# Altium PCB STM32F767IGT6.PcbDoc (part 2 of 2)
Units mil, origin at the board's own origin, x right, y up, seen from the top; angles counter-clockwise.
Board outline 3765 x 2155 mil, 2 copper layers (Top Layer, Bottom Layer); 135 components, 194 nets, 728 pads, 342 vias.
Unrouted connection lines stored in the file: 9.
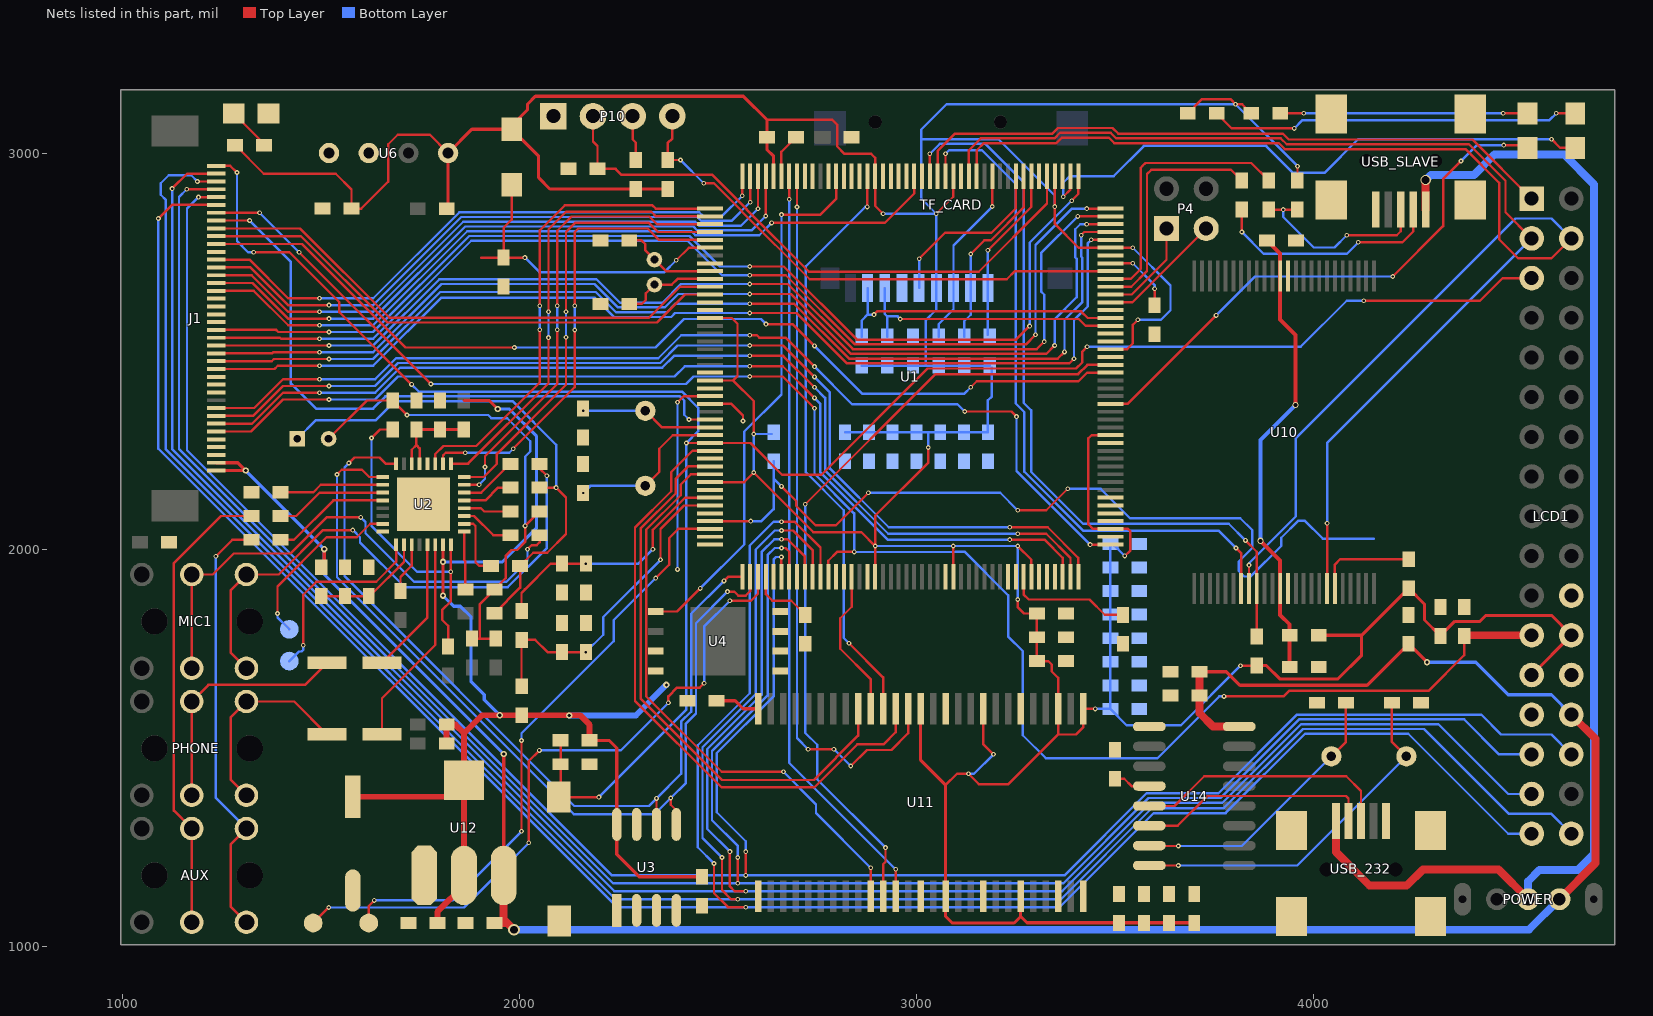
[diagram p2: the nets of this part, all layers, seen from the top]

## Via types
v1: diameter 12, hole 6, Top Layer to Bottom Layer, 318 vias
v2: diameter 16, hole 8, Top Layer to Bottom Layer, 10 vias
v3: diameter 27.56, hole 15.75, Top Layer to Bottom Layer, 9 vias
v4: diameter 16, hole 10, Top Layer to Bottom Layer, 2 vias
v5: diameter 26, hole 20, Top Layer to Bottom Layer, 1 vias
v6: diameter 30, hole 20, Top Layer to Bottom Layer, 1 vias
v7: diameter 14, hole 8, Top Layer to Bottom Layer, 1 vias

## Nets (pads, with @x,y where several pads share a name; then routed paths per layer and width w, separated by ;. In a path a pad name is that pad's centre, name@x,y a point inside that pad or via, vN(x,y) a via of type N, cw(c..) or ccw(c..) an arc to the next point about the centre after c; other vN are vias at no path point) (continued)
FMC_INT3: J1.30 U1.111 | length 2490.6
  Top Layer w6: J1.30@1236,2770.87 1452.19,2770.87 1713.06,2510 v1(1987,2510) ; v1(2621,2569) 2688,2569 v1(2743,2514) ; v1(3137,2410) 3152,2425 3408,2425 3429.61,2446.61 U1.111@3489.09,2446.61
  Bottom Layer w6: v1(1987,2510) 2342.41,2510 2414.41,2582 2608,2582 v1(2621,2569) ; v1(2743,2514) 2863,2394 3121,2394 v1(3137,2410)
FMC_INTR: J1.33 U1.28 | length 1678
  Top Layer w6: J1.33@1236,2829.92 v1(1319.92,2829.92) ; v1(2427,2328.5) U1.28@2480,2328.5
  Bottom Layer w6: v1(1319.92,2829.92) 1424,2725.84 1424,2419 1487,2356 1631,2356 1662,2387 2404.21,2387 2415,2376.21 2415,2340.5 v1(2427,2328.5)
FMC_NBL0: U1.169 U11.15 | length 1820.7
  Top Layer w6: v1(2699.11,2864.11) U1.169@2699.11,2941.32 ; v1(2727,1498) v1(2792,1498) ; v1(2834.5,1455.5) 2875,1496 2937,1496 2979.05,1538.05 U11.15@2979.05,1600
  Bottom Layer w6: v1(2699.11,2864.11) 2699.11,1525.89 v1(2727,1498) ; v1(2792,1498) v1(2834.5,1455.5)
FMC_NBL1: U1.170 U11.39 | length 1924.8
  Top Layer w6: v1(2679.43,2883.43) U1.170@2679.43,2941.32 ; U11.39@2947.56,1127.56 v1(2947.56,1195.44)
  Bottom Layer w6: v1(2679.43,2883.43) 2679.43,1463.57 v1(2947.56,1195.44)
FMC_NCE2: LCD1.1 U1.151 | length 1658.3
  Top Layer w6: U1.151@3053.44,2941.32 3053.44,3005.44 3097,3049 3342.73,3049 3356.73,3063 3494.27,3063 3508.27,3049 3922.91,3049 3937.91,3034 4401,3034 LCD1.1@4550,2885
FMC_NCE3: R22.2 U1.152 U10.9 | length 1946.5
  Top Layer w6: U1.152@3033.76,2941.32 v1(3033.76,2998.24) ; v1(3829,2024) 3857.48,1995.52 U10.9@3857.48,1903.07 R22.2@3857.48,1781.98
  Bottom Layer w6: v1(3033.76,2998.24) 3058.52,3023 3174,3023 3270,2927 3270,2371 3289,2352 3289,2197 3420,2066 3787,2066 v1(3829,2024)
FMC_NCE4_1: U1.153
FMC_NCE4_2: J1.24 U1.154 | length 1983.3
  Top Layer w6: J1.24@1236,2652.76 1330.24,2652.76 1417.04,2565.96 v1(1496,2565.96) ; v1(2635,2824) 2920,2824 2994.39,2898.39 U1.154@2994.39,2941.32
  Bottom Layer w6: v1(1496,2565.96) 1631.14,2565.96 1868.18,2803 2432.94,2803 2442.94,2793 2604,2793 v1(2635,2824)
FMC_NE4: U1.155
FMC_NIORD: U1.24 U4.3
FMC_NIOWR: U1.26 U4.5 | length 109
  Top Layer w6: U1.26@2480,2367.87 2534.13,2367.87 2563,2339 v1(2563,2325)
FMC_NOE: LCD1.4 U1.146 U10.8 | length 3178.5
  Top Layer w6: U1.146@3151.87,2941.32 3151.87,3006.87 3170,3025 3352.67,3025 3366.67,3039 3484.33,3039 3498.33,3025 3912.97,3025 3927.97,3010 4383,3010 4468,2925 4468,2783 4516,2735 4600,2735 LCD1.4@4650,2785 ; U10.8@3837.79,1903.07 v1(3837.79,1961.79)
  Bottom Layer w6: v1(3837.79,1961.79) 3837.79,1966.58 3956,2084.79 3956,2282 4509,2835 4600,2835 LCD1.4@4650,2785
FMC_NREG: U1.25 U4.7 | length 504.4
  Top Layer w6: v1(2398,2372) 2413.56,2387.56 U1.25@2480,2387.56
  Bottom Layer w6: v1(2398,1951) v1@2398,2367
FMC_NWAIT: U1.150 U10.7 | length 1726.5
  Top Layer w6: U1.150@3073.13,2941.32 v1(3073.13,2998.13) ; v1(3805,2005) 3818.11,1991.89 U10.7@3818.11,1903.07
  Bottom Layer w6: v1(3073.13,2998.13) 3081.98,3006.98 3164.94,3006.98 3250,2921.93 3250,2369 3272,2347 3272,2197.03 3421.03,2048 3762,2048 v1(3805,2005)
FMC_NWE: LCD1.3 U1.147 U10.18 | length 2753.6
  Top Layer w6: U1.147@3132.19,2941.32 3132.19,3006.98 3162.2,3037 3347.7,3037 3361.7,3051 3489.3,3051 3503.3,3037 3917.94,3037 3932.94,3022 4392,3022 4484,2930 4484,2851 LCD1.3@4550,2785 ; U10.18@4034.64,1903.07 v1(4034.64,2067.36)
  Bottom Layer w6: v1(4034.64,2067.36) 4034.64,2269.64 LCD1.3@4550,2785
FMC_SDCKE0: U1.35 U11.37 | length 1483.5
  Top Layer w6: U1.35@2480,2190.71 2431.71,2190.71 2406,2165 2406,2137.73 2319,2050.73 2319,1631.39 2509.39,1441 v1(2665,1441) ; U11.37@2884.57,1127.56 v1(2884.57,1199.43)
  Bottom Layer w6: v1(2665,1441) 2747,1359 2747,1337 v1(2884.57,1199.43)
FMC_SDCKE1: U1.163
FMC_SDCLK: U1.112 U11.38 | length 1988.2
  Top Layer w6: v1(2720,2115) 3048,2443 3407.44,2443 3430.74,2466.3 U1.112@3489.09,2466.3 ; U11.38@2916.06,1127.56 2916.06,1208.06 2922,1214 v1(2922,1250)
  Bottom Layer w6: v1(2720,2115) 2720,1539 2750,1509 2750,1422 v1(2922,1250)
FMC_SDNCAS: U1.160 U11.17 | length 1489.6
  Top Layer w6: v1(2830,1765) 2916.06,1678.94 U11.17@2916.06,1600 ; v1(2876.28,2864.28) U1.160@2876.28,2941.32
  Bottom Layer w6: v1(2830,1765) 2817,1778 2817,2100 2721,2196 2721,2714.38 2870.9,2864.28 v1(2876.28,2864.28)
FMC_SDNE0: U1.34 U11.19 | length 1437
  Top Layer w6: U1.34@2480,2210.39 2424.39,2210.39 2394,2180 2394,2142.7 2305,2053.7 2305,1625.59 2510.09,1420.5 2741.5,1420.5 2853.07,1532.07 U11.19@2853.07,1600
FMC_SDNRAS: U1.59 U11.18 | length 375.9
  Top Layer w6: U1.59@2836.91,1932.22 2836.91,1856.91 2808,1828 2808,1751 2884.57,1674.43 U11.18@2884.57,1600
FMC_SDNWE: U1.32 U11.16 | length 1597.8
  Top Layer w6: U1.32@2480,2249.76 2435.76,2249.76 2382,2196 2382,2147.67 2291,2056.67 2291,1619.79 2508.79,1402 2742.8,1402 2850.8,1510 2917,1510 2947.56,1540.56 U11.16@2947.56,1600
GND: C1.2 C2.2 C3.1 C4.1 C5.1 C6.1 C7.1 C8.1 C9.1 C10.1 C11.1 C12.1 C13.1 C14.1 C15.1 C16.1 C17.1 C18.1 C19.1 C20.1 C21.1 C22.1 C23.1 C24.1 C25.1 C26.1 C27.1 C28.1 C29.1 C30.2 C31.2 C32.2 C33.1 C34.1 C35.2 C36.2 C38.2 C39.2 C40.1 C41.1 C42.1 C43.1 C44.1 C45.1 C46.1 C47.1 C48.1 C49.2 C50.1 C55.1 C56.1 C57.1 C58.1 C69.1 J1.3 J1.4 J1.5 J1.11 J1.12 J1.13 J1.20 J1.21 J1.22 J1.23 J1.29 LCD1.22 LCD1.26 LCD1.27 P10.1 PWR.2 R1.2 R8.2 R9.2 R28.1 R31.1 R32.1 RST.2 TF_CARD.6 U1.14 U1.22 U1.37 U1.61 U1.71 U1.90 U1.102 U1.113 U1.126 U1.135 U1.148 U1.158 U2.12 U2.24 U2.33 U3.1 U3.2 U3.3 U3.4 U3.7 U4.4 U6.3 U6.4 U10.13 U10.36 U11.6 U11.12 U11.28 U11.41 U11.46 U11.52 U11.54 U12.1 U14.1 USB_232.5 USB_SLAVE.5
IIC1_SCL: U1.168
IIC1_SDA: U1.167
IIC_SCL: U1.45 U2.16 U3.6 | length 2189.3
  Top Layer w6: v1(1570,2219) 1584,2233 1647,2233 1662.59,2217.41 U2.16@1689.1,2217.41 ; U3.6@2345,1308.27 v1(2345,1374) ; v1(2515,1922) 2525.22,1932.22 U1.45@2561.32,1932.22
  Bottom Layer w6: v1(1570,2219) 1559,2208 1559,1934 2138,1355 2326,1355 v1(2345,1374) 2407,1436 2407,1567.34 2432.45,1592.79 2432.45,1839.45 v1(2515,1922)
IIC_SDA: U1.46 U2.17 U3.5 | length 2210.3
  Top Layer w6: v1(1540,2190) 1552,2202 1603,2202 1621.1,2183.9 U2.17@1655.59,2183.9 ; v1(2381,1375) 2381,1358 U3.5@2395,1344 ; v1(2524,1895) 2541,1895 2551,1885 2570,1885 2581,1896 U1.46@2581,1932.22
  Bottom Layer w6: v1(1540,2190) 1540,1931 2137,1334 2340,1334 v1(2381,1375) 2419,1413 2419,1562.37 2444.45,1587.82 2444.45,1815.45 v1(2524,1895)
JTCK: P10.2 R9.1 U1.137 | length 1517.7
  Top Layer w6: P10.2@2185,3093 2185,3029 2196.5,3017.5 R9.1@2196.5,2960 2242,2960 2257,2945 2485.94,2945 2572,2858.94 2572,2858 2729,2701 3157,2701 3329.04,2873.04 U1.137@3329.04,2941.32
JTDO: P10.3 R10.1 | length 113.8
  Top Layer w6: P10.3@2285,3093 2285,3034 2293,3026 R10.1@2293,2982.5
JTMS: P10.4 R11.1 U1.124 | length 1365.1
  Top Layer w6: P10.4@2385,3093 2385,3037 2373,3025 R11.1@2373,2982.5 v1(2405.5,2982.5) ; v1(2464,2924) 2489.97,2924 2560,2853.97 2560,2853 2731,2682 3227.56,2682 3248.08,2702.52 U1.124@3489.09,2702.52
  Bottom Layer w6: v1(2405.5,2982.5) v1(2464,2924)
LCD_B4: J1.25 U1.173 | length 1636.7
  Top Layer w6: J1.25@1236,2672.44 1327.53,2672.44 1417.01,2582.96 v1(1520,2582.96) ; v1(2620.37,2841.37) U1.173@2620.37,2941.32
  Bottom Layer w6: v1(1520,2582.96) 1631.17,2582.96 1863.21,2815 2437.91,2815 2447.91,2805 2584,2805 v1(2620.37,2841.37)
LCD_B5: J1.26 U1.174 | length 1600.4
  Top Layer w6: J1.26@1236,2692.13 1324.82,2692.13 1416.98,2599.96 v1(1496,2599.96) ; v1(2600.69,2859.69) U1.174@2600.69,2941.32
  Bottom Layer w6: v1(1496,2599.96) 1631.2,2599.96 1858.24,2827 2442.88,2827 2452.88,2817 2558,2817 v1(2600.69,2859.69)
LCD_B6: J1.27 U1.175 | length 1565.2
  Top Layer w6: J1.27@1236,2711.81 1322.1,2711.81 1416.95,2616.96 v1(1520,2616.96) ; v1(2581,2876) U1.175@2581,2941.32
  Bottom Layer w6: v1(1520,2616.96) 1631.23,2616.96 1853.27,2839 2447.85,2839 2457.85,2829 2534,2829 v1(2581,2876)
LCD_B7: J1.28 U1.176 | length 1530
  Top Layer w6: J1.28@1236,2731.5 1319.39,2731.5 1416.92,2633.96 v1(1496,2633.96) ; v1(2561.32,2892.32) U1.176@2561.32,2941.32
  Bottom Layer w6: v1(1496,2633.96) 1631.26,2633.96 1848.3,2851 2452.82,2851 2462.82,2841 2510,2841 v1(2561.32,2892.32)
LCD_BL: J1.34 LCD1.23 R28.2 U1.56 | length 4507.5
  Top Layer w6: J1.34@1236,2849.61 v1(1345,2849.61) ; v1(1444.61,2750) v1(1776.61,2418) ; v1(2580,2437) 2663,2437 v1(2743,2357) ; U1.56@2777.85,1932.22 2777.85,1972.85 2800,1995 v1(2843,1995) ; v1(3775,1631) 3925,1631 3939,1645 4290,1645 4380,1735 R28.2@4380,1783.5
  Top Layer w20: R28.2@4381.5,1785 LCD1.23@4550,1785
  Bottom Layer w6: v1(1345,2849.61) v1(1444.61,2750) ; v1(1776.61,2418) 2419,2418 2438,2437 v1(2580,2437) ; v1(2743,2357) 2743,2192 2843,2092 v1(2843,1995) 2843.18,1994.82 3099.03,1994.82 3099.21,1995 3122,1995 3231,1886 3231,1782 3268,1745 3268,1533 3326,1475 3607,1475 3763,1631 v1(3775,1631)
LCD_G2: J1.14 U1.128 | length 2685.6
  Top Layer w6: J1.14@1236,2455.91 1382.91,2455.91 1390.96,2463.96 v1(1496,2463.96) ; v1(2580,2597) 2698,2597 2825,2470 3385,2470 v1(3397,2482) ; v1(3440.26,2781.26) U1.128@3489.09,2781.26
  Bottom Layer w6: v1(1496,2463.96) 1630.96,2463.96 1802,2635 2190.09,2635 2238.09,2587 2382,2587 2392,2597 v1(2580,2597) v1@2578,2595 ; v1(3397,2482) 3397,2579 3432,2614 3432,2773 v1(3440.26,2781.26)
LCD_G3: J1.15 U1.129 | length 2694.5
  Top Layer w6: J1.15@1236,2475.59 1375.59,2475.59 1380.96,2480.96 v1(1520,2480.96) ; v1(2580,2620) 2691.97,2620 2829.97,2482 3356,2482 v1(3373,2499) ; v1(3415,2793) 3422.94,2800.94 U1.129@3489.09,2800.94
  Bottom Layer w6: v1(1520,2480.96) 1630.99,2480.96 1800.03,2650 2192.06,2650 2243.06,2599 2371,2599 2392,2620 v1(2580,2620) ; v1(3373,2499) 3373,2580 3418,2625 3418,2736.2 3415,2739.2 v1(3415,2793)
LCD_G4: J1.16 U1.130 | length 2706.3
  Top Layer w6: J1.16@1236,2495.28 1376.28,2495.28 1378.96,2497.96 v1(1496,2497.96) ; v1(2580,2645) 2683.94,2645 2834.94,2494 3327,2494 v1(3348,2515) ; v1(3428.63,2820.63) U1.130@3489.09,2820.63
  Bottom Layer w6: v1(1496,2497.96) 1631.02,2497.96 1803.06,2670 2189.03,2670 2248.03,2611 2366,2611 2400,2645 v1(2580,2645) ; v1(3348,2515) 3348,2581 3404,2637 3404,2733.23 3400,2737.23 3400,2808 3412.63,2820.63 v1(3428.63,2820.63)
LCD_G5: J1.17 U1.131 | length 2714.5
  Top Layer w6: J1.17@1236,2514.96 v1(1520,2514.96) ; v1(2580,2670) 2675.91,2670 2839.91,2506 3303,2506 v1(3322,2525) ; v1(3406.32,2840.32) U1.131@3489.09,2840.32
  Bottom Layer w6: v1(1520,2514.96) 1631.05,2514.96 1798.09,2682 2194,2682 2253,2623 2360,2623 2407,2670 v1(2580,2670) ; v1(3322,2525) 3322,2643 3314,2651 3314,2748 v1(3406.32,2840.32)
LCD_G6: J1.18 U1.132 | length 2738.7
  Top Layer w6: J1.18@1236,2534.65 1396.35,2534.65 1399.04,2531.96 v1(1496,2531.96) ; v1(2580,2692) 2670.88,2692 2844.88,2518 3276,2518 v1(3300,2542) ; v1(3429,2860) U1.132@3489.09,2860
  Bottom Layer w6: v1(1496,2531.96) 1631.08,2531.96 1878.12,2779 2423,2779 2510,2692 v1(2580,2692) ; v1(3300,2542) 3300,2768 3392,2860 v1(3429,2860)
LCD_G7: J1.19 U1.133 | length 2702.3
  Top Layer w6: J1.19@1236,2554.33 1386.67,2554.33 1392.04,2548.96 v1(1520,2548.96) v1@1518.96,2550 ; v1(2580,2714) 2665.85,2714 2849.85,2530 3251,2530 v1(3285,2564) ; v1(3391,2880) 3407.78,2896.78 U1.133@3407.78,2941.32
  Bottom Layer w6: v1(1520,2548.96) 1631.11,2548.96 1873.15,2791 2427.97,2791 2504.97,2714 v1(2580,2714) ; v1@3285,2565 3285,2774 v1(3391,2880)
LCD_HSYNC: J1.31 U1.12 | length 1363.3
  Top Layer w6: J1.31@1236,2790.55 1449.48,2790.55 1667.03,2573 2346.62,2573 2417.08,2643.46 U1.12@2480,2643.46
LCD_R3: J1.6 U1.86 | length 2549.7
  Top Layer w6: J1.6@1236,2298.43 1323.31,2298.43 1403.84,2378.96 v1(1520,2378.96) ; v1(2580,2463) 2663,2463 v1(2743,2383) ; v1(3235,2026) 3322.41,2026 3368.41,1980 U1.86@3368.41,1932.22
  Bottom Layer w6: v1(1520,2378.96) 1635.96,2378.96 1694,2437 2390.7,2437 2416.7,2463 v1(2580,2463) ; v1(2743,2383) 2758,2368 2758,2195.06 2927.06,2026 v1(3235,2026)
LCD_R4: J1.7 U1.87 | length 2588.7
  Top Layer w6: J1.7@1236,2318.11 1326.02,2318.11 1403.87,2395.96 v1(1496,2395.96) ; v1(2580,2489) 2664,2489 v1(2743,2410) ; v1(3255,2041) 3327.09,2041 3388.09,1980 U1.87@3388.09,1932.22
  Bottom Layer w6: v1(1496,2395.96) 1635.99,2395.96 1699.03,2459 2359.29,2459 2389.29,2489 v1(2580,2489) ; v1(2743,2410) 2770,2383 2770,2200.03 2929.03,2041 v1(3255,2041)
LCD_R5: J1.8 U1.88 | length 2627
  Top Layer w6: J1.8@1236,2337.8 1328.74,2337.8 1403.9,2412.96 v1(1520,2412.96) ; v1(2580,2515) 2664,2515 v1(2743,2436) ; v1(3235,2057) 3330.78,2057 3407.78,1980 U1.88@3407.78,1932.22
  Bottom Layer w6: v1(1520,2412.96) 1636.02,2412.96 1694.06,2471 2354.32,2471 2398.32,2515 v1(2580,2515) ; v1(2743,2436) 2782,2397 2782,2205 2930,2057 v1(3235,2057)
LCD_R6: J1.9 U1.89 | length 2627.8
  Top Layer w6: J1.9@1236,2357.48 1331.45,2357.48 1403.93,2429.96 v1(1496,2429.96) ; v1(2580,2541) 2598,2541 2604,2535 2670,2535 v1(2743,2462) ; v1(3121.75,2348.75) 3239.25,2348.75 v1(3252,2336) ; v1(3437.46,2013.54) U1.89@3489.09,2013.54
  Bottom Layer w6: v1(1496,2429.96) 1636.05,2429.96 1689.09,2483 2349.35,2483 2407.35,2541 v1(2580,2541) ; v1(2743,2462) 2838,2367 3103.5,2367 v1(3121.75,2348.75) ; v1(3252,2336) 3252,2199 v1(3437.46,2013.54)
LCD_RESET: C5.2 J1.40 LCD1.5 R2.2 RST.1 U1.31 | length 5290.2
  Top Layer w6: J1.40@1236,2967.72 1271.28,2967.72 v1(1288,2951) ; v1(1330,2750) 1420,2750 1546,2624 1546,2599 v1(1728,2417) ; RST.1@2099.21,1377.31 v1(2200,1377.31) ; RST.1@2103.5,1381.6 C5.2@2103.5,1460 R2.2@2103.5,1520 ; v1(2420.45,2269.45) U1.31@2480,2269.45 2581.55,2269.45 2662,2189 2760,2189 3028,2457 3402,2457 3418,2473 3418,2500 v1(3430,2512) ; v1(4127,2628) 4420,2628 4477,2685 LCD1.5@4550,2685
  Bottom Layer w6: v1(1288,2951) 1288,2778 1316,2750 v1(1330,2750) ; v1(1728,2417) 1746,2399 2409.18,2399 2450,2358.18 2450,2299 v1(2420.45,2269.45) 2420.45,1597.76 v1(2200,1377.31) ; v1(3430,2512) 3968,2512 4084,2628 v1(4127,2628)
LCD_VSYNC: J1.32 U1.11 | length 1369.6
  Top Layer w6: J1.32@1236,2810 1447,2810 1672,2585 2326,2585 2404.15,2663.15 U1.11@2480,2663.15
LED0: DS0.2 U1.107 | length 1383.6
  Top Layer w6: U1.107@3489.09,2367.87 3531.87,2367.87 v1(3755,2591) ; v1(4200,2689) 4327,2816 4327,2935 v1(4372,2980) ; v1(4480,3020) DS0.2@4532.9,3020
  Bottom Layer w6: v1(3755,2591) 3853,2689 v1(4200,2689) ; v1(4372,2980) 4412,3020 v1(4480,3020)
LED1: DS1.2 U1.134 | length 1494.8
  Top Layer w6: v1(3370,2890) 3388.09,2908.09 U1.134@3388.09,2941.32 ; v1(4600,3035) 4622.04,3012.96 DS1.2@4659.94,3012.96
  Bottom Layer w6: v1(3370,2890) 3370,2925 3387,2942 3497,2942 3573,3018 3881,3018 3949,2950 4028,2950 4113,3035 v1(4600,3035)
NetAUX_1: AUX.1 C66.2 | length 1094.2
  Top Layer w6: v1(1235,1984) 1276.57,2025.57 C66.2@1324.93,2025.57 ; AUX.1@1311.89,1061.89 1272,1101.78 1272,1258.22 AUX.1@1311.89,1298.11
  Bottom Layer w6: v1(1235,1984) 1235,1375 AUX.1@1311.89,1298.11
NetAUX_2: AUX.2 C65.2 | length 1168.8
  Top Layer w6: AUX.2@1174.09,1061.89 AUX.2@1174.09,1298.11 1129,1343.2 1129,1967 1247.57,2085.57 C65.2@1324.93,2085.57
NetC6_2: C6.2 U1.81 | length 315.6
  Top Layer w6: U1.81@3269.98,1932.22 3269.98,1888.02 3283,1875 3436,1875 3474.5,1836.5 C6.2@3520,1836.5
NetC7_2: C7.2 U1.125 | length 184.4
  Top Layer w6: U1.125@3489.09,2722.2 v1(3545,2722.2) ; C7.2@3600,2616.5 v1(3600,2658)
  Bottom Layer w6: v1(3545,2722.2) 3600,2667.2 v1(3600,2658)
NetC8_2: C8.2 D1.2 U1.6 | length 808.9
  Top Layer w6: 1903.5,2736.5 C8.2@1960,2736.5 ; D1.2@1980,2920 1980,2832 1960,2812 C8.2@1960,2736.5 ; v1(2013.5,2736.5) C8.2@1960,2736.5 ; v1(2395,2730) 2426.57,2761.57 U1.6@2480,2761.57
  Bottom Layer w6: v1(2013.5,2736.5) 2050,2700 2365,2700 v1(2395,2730)
NetC9_2: C9.2 C10.2 R3.2 U1.38 | length 648.3
  Top Layer w6: R3.2@2005,1846.5 2005,1891.53 2013.5,1900.03 2013.5,1900.5 2078.5,1965.5 C10.2@2107,1965.5 v1(2167,1965.5) ; v1(2336,2002) 2336,2050.76 2416.9,2131.65 U1.38@2480,2131.65
  Bottom Layer w6: v1(2167,1965.5) 2299.5,1965.5 v1(2336,2002)
NetC11_2: C11.2 C12.2 R3.1 R4.1 U1.39 | length 829.5
  Top Layer w6: R4.1@2005,1656.5 R3.1@2005,1773.5 2039.5,1773.5 2070.5,1742.5 C11.2@2107,1742.5 v1(2167,1742.5) ; v1(2355,1975) 2355,2052.79 2414.18,2111.97 U1.39@2480,2111.97
  Bottom Layer w6: v1(2167,1742.5) 2211,1786.5 2211,1831 v1(2355,1975)
NetC28_2: C28.2 U14.4 | length 94.5
  Top Layer w6: C28.2@3500,1423.5 3523.5,1423.5 3542,1405 U14.4@3586.81,1405
NetC29_2: C29.2 U14.7 Y3.1 | length 702.8
  Top Layer w6: U14.7@3586.81,1255 3587.81,1254 v1(3660,1254) ; Y3.1@4045.51,1480 4082.01,1516.5 C29.2@4082.01,1615
  Bottom Layer w6: v1(3660,1254) 3819.51,1254 Y3.1@4045.51,1480
NetC30_1: C30.1 U14.8 Y3.2 | length 911.7
  Top Layer w6: U14.8@3586.81,1205 v1(3660,1205) ; C30.1@4197.99,1615 4197.99,1516.5 Y3.2@4234.49,1480
  Bottom Layer w6: v1(3660,1205) 3959.49,1205 Y3.2@4234.49,1480
NetC40_2: C40.2 C41.2 R20.1 U10.12 U10.37 | length 1171.5
  Top Layer w10: v4(3867,2023) 3916.53,1973.47 U10.12@3916.53,1903.07 3916.53,1836.47 3940.5,1812.5 R20.1@3940.5,1785 C40.2@3940.5,1705 ; C41.2@3883.5,2780 3916.53,2746.97 U10.37@3916.53,2690.47 3916.53,2580.25 3955,2541.79 v4(3955,2365)
  Bottom Layer w10: v4(3867,2023) 3867,2277 v4(3955,2365)
NetC53_1: C53.1 U2.29 | length 344.6
  Top Layer w6: C53.1@1653.54,1715.35 1767.84,1829.65 U2.29@1767.84,2012.59
NetC53_2: C53.2 PHONE.2 | length 617.4
  Top Layer w6: PHONE.2@1174.09,1381.89 PHONE.2@1174.09,1618.11 1215.98,1660 1459.65,1660 C53.2@1515,1715.35
NetC54_1: C54.1 U2.30 | length 532.7
  Top Layer w6: C54.1@1653.54,1535.35 1653.54,1626.54 1787.53,1760.53 U2.30@1787.53,2012.59
NetC54_2: C54.2 PHONE.1 | length 506.7
  Top Layer w6: PHONE.1@1311.89,1381.89 1272,1421.78 1272,1578.22 PHONE.1@1311.89,1618.11 1432.24,1618.11 C54.2@1515,1535.35
NetC55_2: C55.2 C56.2 R29.1 U2.26 | length 288.9
  Top Layer w6: R29.1@1500,1883.5 C56.2@1560,1883.5 C55.2@1620,1883.5 ; C55.2@1625.25,1878.25 1625.25,1886.25 1708.79,1969.79 U2.26@1708.79,2012.59
NetC57_2: C57.2 C58.2 R30.2 U2.13 U2.14 | length 260.8
  Top Layer w6: U2.14@1728.47,2217.41 1728.47,2252.47 1740,2264 ; C58.2@1740,2303.5 1740,2264 ; U2.13@1748.16,2217.41 1748.16,2255.84 1740,2264
  Top Layer w8: C58.2@1740,2303.5 C57.2@1800,2303.5 R30.2@1860,2303.5
NetC59_1: C59.1 U2.3 | length 137.2
  Top Layer w6: U2.3@1860.41,2085.47 1885.53,2085.47 1934,2037 C59.1@1977.5,2037
NetC59_2: C59.2 MIC1.2 | length 1331.5
  Top Layer w6: MIC1.2@1174.09,1701.89 MIC1.2@1174.09,1938.11 1227.11,1938.11 1280,1991 1423,1991 1514,2082 v1(1600,2082) ; v1(2020,2002) 2030,2012 2043,2012 2050.5,2019.5 C59.2@2050.5,2037
  Bottom Layer w6: v1(1600,2082) 1612,2070 1612,2042 1734,1920 1967.03,1920 2020,1972.97 v1(2020,2002)
NetC60_1: C60.1 U2.6 | length 145.6
  Top Layer w6: U2.6@1860.41,2144.53 1903.53,2144.53 C60.1@1976,2217
NetC60_2: C60.2 MIC1.1 | length 1389.2
  Top Layer w6: MIC1.1@1311.89,1701.89 1272,1741.78 1272,1898.22 MIC1.1@1311.89,1938.11 1393.11,1938.11 1505,2050 v1(1580,2050) ; C60.2@2050.5,2205.5 v1(2069,2187)
  Bottom Layer w6: v1(1580,2050) 1598,2032 1598,2019 1711,1906 1970,1906 2069,2005 v1(2069,2187)
NetC61_1: C61.1 U2.1 | length 147.4
  Top Layer w6: U2.1@1860.41,2046.1 1860.41,1974.59 1863.5,1971.5 C61.1@1863.5,1900
NetC61_2: C61.2 C63.2 MIC.2 R33.2 R34.2 R66.2 | length 1260.6
  Top Layer w6: MIC.2@1518.74,2280 1615.24,2376.5 R33.2@1680,2376.5 v1(1716.5,2340) ; R66.2@1880,1776.5 1900,1776.5 ; R34.2@1940,1776.5 1900,1776.5 ; C63.2@2050.5,2097 v1(2014,2060.5) 2014,2020 1994,2000 1980,2000 1965,1985 1965,1928.5 C61.2@1936.5,1900 1900,1863.5 1900,1776.5
  Bottom Layer w6: v1(1716.5,2340) 1921,2340 1929,2332 1969,2332 2027,2274 2027,2248 2014,2235 v1(2014,2060.5)
NetC62_1: C62.1 U2.2 | length 165.2
  Top Layer w6: U2.2@1860.41,2065.79 1883.21,2065.79 1889,2060 1889,1969 1898,1960 C62.1@1928.5,1960
NetC62_2: C62.2 C64.2 MIC.1 R35.2 | length 1309.3
  Top Layer w6: R35.2@1936.5,1840 2001.5,1905 C62.2@2001.5,1960 2034.5,1993 2070,1993 2117,2040 2117,2132 v1(2092,2157) C64.2@2050.5,2157
  Bottom Layer w6: MIC.1@1440,2280 1487,2327 1638,2327 1686,2375 1982,2375 2092,2265 v1(2092,2157)
NetC63_1: C63.1 U2.4 | length 120.5
  Top Layer w6: U2.4@1860.41,2105.16 1902.84,2105.16 1911,2097 C63.1@1977.5,2097
NetC64_1: C64.1 U2.5 | length 130.4
  Top Layer w6: U2.5@1860.41,2124.84 1913.84,2124.84 1946,2157 C64.1@1977.5,2157
NetC65_1: C65.1 U2.19 | length 282.1
  Top Layer w6: C65.1@1397.93,2085.57 1437.57,2085.57 1496.53,2144.53 U2.19@1655.59,2144.53
NetC66_1: C66.1 U2.20 | length 298.8
  Top Layer w6: C66.1@1397.93,2025.57 1431.57,2025.57 1530.84,2124.84 U2.20@1655.59,2124.84
NetC67_2: C67.2 U2.27 | length 127.9
  Top Layer w6: C67.2@1700,1896.5 1700,1932 1728.47,1960.47 U2.27@1728.47,2012.59
NetC68_2: C68.2 R33.1 U2.32 | length 802.8
  Top Layer w6: v1(1627,2282) 1648.5,2303.5 R33.1@1680,2303.5 ; C68.2@1820,1756.5 1820,1809 1805,1824 1805,1849 1826.9,1870.9 v1(1826.9,1945) U2.32@1826.9,2012.59
  Bottom Layer w6: v1(1627,2282) 1627,2060 1742,1945 v1(1826.9,1945)
NetDS0_1: DS0.1 R37.1 | length 623.4
  Top Layer w6: R37.1@3916.5,3100 v1(3975.97,3099.97) ; v1(4478.03,3099.97) DS0.1@4539.94,3099.97
  Bottom Layer w6: v1(3975.97,3099.97) v1(4478.03,3099.97)
NetDS1_1: DS1.1 R38.1 | length 934.9
  Top Layer w6: R38.1@3756.5,3100 3794.5,3062 v1(3952,3062) ; v1(4612,3099.97) DS1.1@4659.94,3099.97
  Bottom Layer w6: v1(3952,3062) 3973,3083 4595.03,3083 v1(4612,3099.97)
NetPWR_1: PWR.1 R39.1 | length 108.1
  Top Layer w6: PWR.1@1280.03,3099.94 R39.1@1356.5,3023.47
NetR1_1: R1.1 U1.48 | length 164.8
  Top Layer w6: U1.48@2620.37,1932.22 2620.37,1888.63 2637,1872 2684.5,1872 R1.1@2720,1836.5
NetR5_1: R5.1 U1.171 | length 113.9
  Top Layer w6: U1.171@2659.74,2941.32 2659.74,3003.24 R5.1@2696.5,3040
NetR12_1: R12.1 USB_SLAVE.2 | length 589.3
  Top Layer w6: v1(3820,2801) R12.1@3820,2857.5 ; v1(4113,2775) 4224,2775 4251.49,2802.49 USB_SLAVE.2@4251.49,2857.64
  Bottom Layer w6: v1(3820,2801) 3875,2746 4084,2746 v1(4113,2775)
NetR13_1: R13.1 R14.1 USB_SLAVE.3 | length 490
  Top Layer w6: R14.1@3888,2857.5 v1(3924,2857.5) R13.1@3960,2857.5 ; v1(4084,2793) 4210,2793 4220,2803 USB_SLAVE.3@4220,2857.64
  Bottom Layer w6: v1(3924,2857.5) 3924,2839 4001,2762 4053,2762 v1(4084,2793)
NetR21_1: R21.1 U10.19 | length 251.4
  Top Layer w6: U10.19@4054.33,1903.07 4054.33,1963.33 4067.5,1976.5 R21.1@4240,1976.5
NetR32_2: R32.2 U2.18 | length 265.6
  Top Layer w6: R32.2@1397.93,2145 1480.03,2145 1499.24,2164.21 U2.18@1655.59,2164.21
NetSPK+_1: SPK+.1 U2.25 | length 496.6
  Top Layer w6: v1(1455,1760) 1455,1886.98 1488.02,1920 1639,1920 1689.1,1970.1 U2.25@1689.1,2012.59
  Bottom Layer w6: SPK+.1@1420,1720 1444,1744 1451,1744 1455,1748 v1(1455,1760)
NetSPK-_1: SPK-.1 U2.23 | length 451.4
  Top Layer w6: v1(1390,1840) 1390,1908.04 1513.96,2032 1590,2032 1623.79,2065.79 U2.23@1655.59,2065.79
  Bottom Layer w6: v1(1390,1840) 1390,1830 SPK-.1@1420,1800
NetU14_5: U14.5 USB_232.3 | length 655.2
  Top Layer w6: U14.5@3586.81,1355 3650,1355 3725,1430 4083,1430 4120,1393 USB_232.3@4120,1317.36
NetU14_6: U14.6 USB_232.2 | length 591.6
  Top Layer w6: U14.6@3586.81,1305 3658,1305 3733,1380 4082,1380 4088.51,1373.49 USB_232.2@4088.51,1317.36
PA0: U1.40
PA1: R40.1 U1.41 | length 2225.2
  Top Layer w6: U1.41@2480,2072.6 v1(2582.4,2072.6) ; v1(2660,2160) 2697,2123 2697,2111 2746,2062 2797,2062 v1(2879,2144) ; v1(3255,2100) 3327,2100 v1(3381,2154)
  Bottom Layer w6: v1(2582.4,2072.6) 2609.6,2072.6 2640,2103 2640,2180 ; R40.1@2640,2223.5 2640,2180 ; v1(2660,2160) 2640,2180 ; v1(2879,2144) 3211,2144 v1(3255,2100) ; v1(3381,2154) 3464,2154 3538,2080 3816,2080 3846,2050 3846,2005 3812,1971 3812,1947 3826,1933 3842,1933 3919,2010 3919,2030.82 3962.18,2074 3978,2074 4024,2028 4152,2028
PA2: PA2.1 U1.42 | length 1511.5
  Top Layer w6: PA2.1@1620,1060 1620,1103 v1(1634,1117) ; v1(2005,1291) v1(2005,1520) ; v1(2343,1929) 2377,1963 2377,2030 2399.91,2052.91 U1.42@2480,2052.91
  Bottom Layer w6: v1(1634,1117) 1831,1117 v1(2005,1291) ; v1(2005,1520) 2005,1538 2237,1770 2237,1823 v1(2343,1929)
PA3: PA3.1 U1.47 | length 1720.7
  Top Layer w6: PA3.1@1480,1060 v1(1519,1099) ; v1(2023,1262) 2023,1468 v1(2050,1495) ; v1(2375,1615) 2375,1631 2397,1653 2454,1653 v1(2465,1664) ; v1(2530,1872) 2583,1872 2600.69,1889.69 U1.47@2600.69,1932.22
  Bottom Layer w6: v1(1519,1099) 1860,1099 v1(2023,1262) ; v1(2050,1495) 2255,1495 v1(2375,1615) ; v1(2465,1664) 2465,1807 v1(2530,1872)
PA4: J1.36 LCD1.30 U1.50 | length 5793.6
  Top Layer w6: v1(1190.98,2888.98) J1.36@1236,2888.98 ; v1(2570,1180) v1(2570,1240) ; U1.50@2659.74,1932.22 v1(2659.74,1982.26)
  Bottom Layer w6: v1(1190.98,2888.98) 1162,2860 1162,2251 2233,1180 v1(2570,1180) 3373,1180 3580,1387 3761,1387 3959,1585 4423,1585 4473,1535 4600,1535 LCD1.30@4650,1485 ; v1(2570,1240) 2570,1266 2497,1339 2497,1488.12 2640,1631.12 2640,1976 2646.26,1982.26 v1(2659.74,1982.26)
PA5: J1.37 LCD1.29 U1.51 | length 5846.8
  Top Layer w6: v1(1161.66,2908.66) J1.37@1236,2908.66 ; v1(2550,1160) v1(2550,1225) ; v1(2660,2005) 2670,2005 2679.43,1995.57 U1.51@2679.43,1932.22
  Bottom Layer w6: v1(1161.66,2908.66) 1142,2889 1142,2254.03 2236.03,1160 v1(2550,1160) 3369.97,1160 3584.97,1375 3765.97,1375 3963.97,1573 4380,1573 4468,1485 LCD1.29@4550,1485 ; v1(2550,1225) 2550,1254 2485,1319 2485,1493.09 2625,1633.09 2625,1987 2643,2005 v1(2660,2005)
PA6: U1.52
PA7: J1.39 LCD1.31 U1.53 | length 6076.9
  Top Layer w6: v1(1124.5,2910.5) 1162.03,2948.03 J1.39@1236,2948.03 ; v1(2530,1240) 2530,1152 2542,1140 v1(2570,1140) ; v1(2660,2027) 2675,2027 2718.8,1983.2 U1.53@2718.8,1932.22
  Bottom Layer w6: v1(1124.5,2910.5) 1124.5,2254.56 2239.06,1140 v1(2570,1140) 3366.94,1140 3589.94,1363 3770.94,1363 3968.94,1561 4315,1561 4491,1385 LCD1.31@4550,1385 ; v1(2530,1240) 2473,1297 2473,1498.06 2610,1635.06 2610,1995 2642,2027 v1(2660,2027)
PA8: U1.119
PA9: P4.3 U1.120 | length 318
  Top Layer w6: U1.120@3489.09,2623.78 3543.78,2623.78 P4.3@3730,2810
PA10: P4.1 U1.121 | length 256.2
  Top Layer w6: U1.121@3489.09,2643.46 3542.46,2643.46 3630,2731 P4.1@3630,2810
PA11: R12.2 U1.122 | length 607.4
  Top Layer w6: U1.122@3489.09,2663.15 3541.15,2663.15 3581,2703 3581,2947 3592,2958 3792.5,2958 R12.2@3820,2930.5
PA12: R14.2 U1.123 | length 687.7
  Top Layer w6: U1.123@3489.09,2682.83 3539.83,2682.83 3565,2708 3565,2963 3569,2967 3577,2975 3843.5,2975 R14.2@3888,2930.5
PA15: U1.138
PB1: U1.57
PB2: U1.58 U4.6
PB3: U1.161
PB4: U1.162
PB6: U1.164 U4.1 | length 1373.1
  Top Layer w6: U4.1@2343.5,1845 2397,1845 v1(2455,1903) ; v1(2660,2845) 2758,2845 2797.54,2884.54 U1.164@2797.54,2941.32
  Bottom Layer w6: v1(2455,1903) 2566,2014 2566,2298 2660,2392 v1(2660,2845)
PB7: U1.165
PB10: U1.79
PB11: U1.80
PB12: U1.92
PB13: U1.93
PB14: U1.94
PB15: U1.95
PC1: U1.33
PC4: J1.38 LCD1.34 U1.54 | length 6362.9
  Top Layer w6: v1(1188.35,2928.35) J1.38@1236,2928.35 ; v1(2510,1225) 2510,1143 2533,1120 v1(2550,1120) ; v1(2660,2049) 2689,2049 2738.48,1999.52 U1.54@2738.48,1932.22
  Bottom Layer w6: v1(1188.35,2928.35) 1172.69,2944 1116,2944 1096,2924 1096,2895 1109,2882 1109,2253.09 2242.09,1120 v1(2550,1120) 3363.91,1120 3592.91,1349 3773.91,1349 3973.91,1549 4279,1549 4493,1335 4600,1335 LCD1.34@4650,1285 ; v1(2510,1225) 2461,1274 2461,1503.03 2595,1637.03 2595,2001 2643,2049 v1(2660,2049)
PC5: J1.35 LCD1.33 U1.55 | length 6309.3
  Top Layer w6: v1(1090,2835) 1124.29,2869.29 J1.35@1236,2869.29 ; v1(2490,1210) 2490,1135 2525,1100 v1(2570,1100) ; v1(2660,2071) 2693,2071 2758.17,2005.83 U1.55@2758.17,1932.22
  Bottom Layer w6: v1(1090,2835) 1090,2255.12 2245.12,1100 v1(2570,1100) 3360.88,1100 3597.88,1337 3778.88,1337 3978.88,1537 4239,1537 4491,1285 LCD1.33@4550,1285 ; v1(2490,1210) 2449,1251 2449,1508 2580,1639 2580,2011 2640,2071 v1(2660,2071)
PC6: U1.115
PC7: U1.116
PC8: R15.1 TF_CARD.7 U1.117 | length 697.5
  Top Layer w6: v1(2959,2582) 3409,2582 3426.28,2564.72 U1.117@3489.09,2564.72
  Bottom Layer w6: TF_CARD.7@2920.16,2660 2920.16,2594.84 2926.6,2588.4 ; R15.1@2926.6,2537.5 2926.6,2588.4 ; v1(2959,2582) 2952.6,2588.4 2926.6,2588.4
PC9: R19.1 TF_CARD.8 U1.118 | length 750.9
  Top Layer w6: v1(2893,2593) 2901,2601 3415,2601 3431.59,2584.41 U1.118@3489.09,2584.41
  Bottom Layer w6: R19.1@2862,2537.5 2862,2578 2876.85,2592.85 ; TF_CARD.8@2876.85,2660 2876.85,2592.85 ; v1@2892.85,2592.85 2876.85,2592.85
PC10: R18.1 TF_CARD.1 U1.139 | length 444.2
  Top Layer w6: v1(3180,2755) 3289.67,2864.67 U1.139@3289.67,2941.32
  Bottom Layer w6: R18.1@3180,2542.5 TF_CARD.1@3180,2660 v1(3180,2755)
PC11: R17.1 TF_CARD.2 U1.140 | length 475.1
  Top Layer w6: v1(3136.69,2745.69) 3171,2780 3187,2780 3269.98,2862.98 U1.140@3269.98,2941.32
  Bottom Layer w6: R17.1@3120.4,2537.5 3120.4,2576.4 3136.69,2592.69 TF_CARD.2@3136.69,2660 v1(3136.69,2745.69)
PC12: TF_CARD.5 U1.141 | length 450.7
  Top Layer w6: v1(3006.77,2733.77) 3072,2799 3189,2799 3250.3,2860.3 U1.141@3250.3,2941.32
  Bottom Layer w6: TF_CARD.5@3006.77,2660 v1(3006.77,2733.77)
PC13: U1.8
PC14: C3.2 U1.9 Y2.2 | length 244.7
  Top Layer w6: C3.2@2276.5,2780 2307,2780 2317,2770 2317,2754.5 Y2.2@2340,2731.5 2368.98,2702.52 U1.9@2480,2702.52
PC15: C4.2 U1.10 Y2.1 | length 239.2
  Top Layer w6: C4.2@2276.5,2620 2308,2620 2318,2630 2318,2646.5 Y2.1@2340,2668.5 2383.5,2668.5 2397.83,2682.83 U1.10@2480,2682.83
PD2: R16.1 TF_CARD.3 U1.144 | length 459.9
  Top Layer w6: v1(3191.24,2865.24) U1.144@3191.24,2941.32
  Bottom Layer w6: R16.1@3055.8,2537.5 3055.8,2568.8 3093.39,2606.39 TF_CARD.3@3093.39,2660 3093.39,2767.39 v1(3191.24,2865.24)
PE2: U1.1 U2.11 | length 1203.7
  Top Layer w6: U2.11@1787.53,2217.41 1787.53,2241.5 1808.03,2262 1891,2262 2051,2422 v1(2051,2555) ; v1(2051,2615) 2051,2805 2114,2868 2335,2868 2343,2860 U1.1@2480,2860
  Bottom Layer w6: v1(2051,2555) v1(2051,2615)
PE3: U1.2 U2.9 | length 1148.1
  Top Layer w6: U2.9@1826.9,2217.41 1870.41,2217.41 2073,2420 v1(2073,2535) ; v1(2073,2600) 2073,2808 2117,2852 2331.91,2852 2343.6,2840.32 U1.2@2480,2840.32
  Bottom Layer w6: v1(2073,2535) v1(2073,2600)
PE4: U1.3 U2.7 | length 1166.9
  Top Layer w6: U2.7@1860.41,2164.21 v1(1898,2164.21) ; v1(1913.06,2209.06) 1913.06,2236.06 2095,2418 v1(2095,2555) ; v1(2095,2615) 2095,2804 2131,2840 2326.94,2840 2346.31,2820.63 U1.3@2480,2820.63
  Bottom Layer w6: v1(1898,2164.21) 1913.06,2179.27 v1(1913.06,2209.06) ; v1(2095,2555) v1(2095,2615)
PE5: U1.4 U2.8 | length 1134.5
  Top Layer w6: U2.8@1860.41,2183.9 1909.9,2183.9 1943,2217 1943,2242 2117,2416 v1(2117,2536) ; v1(2117,2600) 2117,2801 2140,2824 2325.97,2824 2349.03,2800.94 U1.4@2480,2800.94
  Bottom Layer w6: v1(2117,2536) v1(2117,2600)
PE6: U1.5 U2.10 | length 1171.4
  Top Layer w6: U2.10@1807.21,2217.41 1807.21,2238.21 1814,2245 v1(1863,2245) ; v1(1984,2255) 1984,2255.21 2139,2410.21 v1(2139,2554) ; v1(2139,2615) 2139,2801 2148,2810 2323,2810 2351.74,2781.26 U1.5@2480,2781.26
  Bottom Layer w6: v1(1863,2245) 1974,2245 v1(1984,2255) ; v1(2139,2554) v1(2139,2615)
PG13: U1.156
PG14: U1.157
PH0: C1.1 U1.29 Y1.2 | length 336.8
  Top Layer w6: Y1.2@2317,2350.49 2358.67,2308.82 U1.29@2480,2308.82
  Bottom Layer w6: v1(2160.49,2350.49) Y1.2@2317,2350.49
PH1: C2.1 U1.30 Y1.1 | length 414.1
  Top Layer w6: Y1.1@2317,2161.51 2352,2196.51 2352,2255 2386.13,2289.13 U1.30@2480,2289.13
  Bottom Layer w6: v1(2160.5,2143.5) 2178.51,2161.51 Y1.1@2317,2161.51
PH2: U1.43
PH3: U1.44
PH6: U1.83
PH7: U1.84
PH8: U1.85
PI11: U1.13
VCC3.3: C13.2 C14.2 C15.2 C16.2 C17.2 C18.2 C19.2 C20.2 C21.2 C22.2 C23.2 C24.2 C25.2 C26.2 C27.2 C34.2 C35.1 C36.1 C38.1 C39.1 C42.2 C43.2 C44.2 C45.2 C46.2 C47.2 C48.2 C49.1 C51.1 C52.1 C69.2 D1.1 LCD1.24 LCD1.25 R2.1 R4.2 R5.2 R10.2 R11.2 R13.2 R15.2 R16.2 R17.2 R18.2 R19.2 R20.2 R21.2 R22.1 R36.1 R37.2 R38.2 R39.2 R40.2 TF_CARD.4 U1.15 U1.23 U1.36 U1.49 U1.62 U1.72 U1.82 U1.91 U1.103 U1.114 U1.127 U1.136 U1.149 U1.159 U1.172 U2.31 U3.8 U4.8 U6.1 U11.1 U11.3 U11.9 U11.14 U11.27 U11.43 U11.49 U12.2 U12.4 | length 17839.9
  Top Layer w6: R39.2@1283.5,3020 1355.5,2948 1537,2948 1576.5,2908.5 C69.2@1576.5,2860 1601,2860 1669,2928 1669,3022 1693,3046 1774,3046 U6.1@1820,3000 ; U1.36@2480,2171.02 2566.02,2171.02 v1(2590,2195) 2740,2045 2860.96,2045 v1(2895.96,2010) ; U1.23@2480,2426.93 2537.93,2426.93 ; U1.15@2480,2584.41 2534.59,2584.41 2549,2570 2549,2438 2537.93,2426.93 ; v1(2590,2292) 2590,2374.86 2537.93,2426.93 ; 2623.5,3083.5 2788.5,3083.5 2800,3072 2800,3017 2819,2998 2886,2998 2895.96,2988.04 U1.159@2895.96,2941.32 2895.96,2867.04 v1(2915.92,2847.08) ; U1.62@2895.96,1932.22 v1(2895.96,2010) ; v1(3030,2258) 3030,2220 2895.96,2085.96 v1(2895.96,2010) ; v1(3050.08,2847.08) 3092.82,2889.82 U1.149@3092.82,2941.32 ; 3073.54,1407.46 3102.08,1436 v1(3131,1436) 3157,1410 3232,1410 3357.01,1535.01 ; U1.72@3092.82,1932.22 v1(3092.82,2009.82) ; U11.9@3168.03,1600 3168.03,1510.97 v1(3194,1485) ; v1(3255,1875) 3255,1856 3271,1840 C42.2@3303.5,1840 C44.2@3303.5,1720 3332,1720 3341,1711 3341,1694 3357.01,1677.99 U11.3@3357.01,1600 3357.01,1535.01 ; v1(3255,2010) 3289.67,1975.33 U1.82@3289.67,1932.22 ; U1.136@3348.72,2941.32 v1(3348.72,2865) 3348.72,2821.28 3408.43,2761.57 U1.127@3489.09,2761.57 v1(3545,2761.57) ; U11.1@3420,1600 3420,1553 3402.01,1535.01 3357.01,1535.01 ; U11.1@3420.5,1599.5 v1(3450.5,1599.5) ; U1.103@3489.09,2289.13 3441.13,2289.13 3433,2281 3433,2065 3445.09,2052.91 U1.91@3489.09,2052.91 3533.09,2052.91 3539,2047 3539,1999 v1(3525,1985) ; U1.114@3489.09,2505.67 3530.67,2505.67 3545,2520 3545,2567 v1(3558,2580) ; R38.2@3683.5,3100 3719.5,3136 3791,3136 v1(3804,3123) 3820.5,3123 R37.2@3843.5,3100 ; v1(3816.5,1708.5) R22.1@3857,1708.5 ; R13.2@3960,2930.5 v1(3960,2967)
  Top Layer w8: v2(1807.21,1885) v2(1807.21,1970) U2.31@1807.21,2012.59 ; R36.1@1816.5,2860 1820,2863.5 U6.1@1820,3000 1880,3060 D1.1@1980,3060 ; 1860,2376.5 1923.5,2376.5 v2(1945,2355) ; v2(2125,1583) v2@2125,1583.5 ; R2.1@2176.5,1520 2226,1520 2245,1501 U3.8@2245,1308.27 2245,1233 2301.5,1176.5 C39.1@2460,1176.5 ; R11.2@2373,2909.5 R10.2@2293,2909.5 2076.5,2909.5 2048,2938 2048,2992 D1.1@1980,3060 ; C38.1@2496.5,1620 2543,1620 2563,1600 U11.27@2601.1,1600 ; U1.172@2640.06,2941.32 2640.06,2991.94 2623.5,3008.5 R5.2@2623.5,3040 2623.5,3083.5 2564,3143 2040,3143 2020,3123 2020,3109.07 1980,3069.07 D1.1@1980,3060 ; U11.14@3010.55,1600 3010.55,1470.45 3073.54,1407.46 U11.43@3073.54,1127.56 3073.54,1076.46 3090,1060 3246.04,1060 3262.52,1076.48 ; U11.49@3262.52,1127.56 3262.52,1076.48 ; C48.2@3700,1060.5 C47.2@3636.67,1060.5 C46.2@3573.33,1060.5 C45.2@3510,1060.5 3278.5,1060.5 3262.52,1076.48 ; R22.1@3857,1708.5 3882,1708.5 3915.5,1675 4062,1675 4121.5,1734.5 4121.5,1785 ; R20.2@4013.5,1785 4121.5,1785 ; LCD1.25@4550,1685 LCD1.24@4650,1785 4600,1835 4435,1835 4420,1820 4356.5,1820 C49.1@4320,1783.5 4280,1823.5 4280,1863.5 R21.2@4240,1903.5 4121.5,1785
  Top Layer w15: C35.1@1580,1378.11 1818.2,1378.11 U12.4@1860.03,1419.94 ; C34.2@1793,1060 1793,1088 1860.03,1155.03 U12.4@1860.03,1419.94 ; C51.1@1816.5,1512 C52.1@1816.5,1560 1838.06,1560 1860.03,1538.03 ; R2.1@2176.5,1520 2176.5,1559.5 2152.5,1583.5 2125,1583.5 R4.2@2005,1583.5 1905.5,1583.5 1860.03,1538.03 ; U12.4@1860.03,1419.94 1860.03,1538.03
  Bottom Layer w6: v1(2590,2195) v1(2590,2292) R40.2@2635.5,2292 ; C19.2@2820,2296.5 C18.2@2880,2296.5 C17.2@2940,2296.5 C16.2@3000,2296.5 3030,2296.5 ; R19.2@2862,2464.5 R15.2@2926.6,2464.5 C36.1@2991.2,2464.5 R16.2@3055.8,2464.5 R17.2@3120.4,2464.5 R18.2@3185,2464.5 ; v1(2895.96,2010) v1(3255,2010) v1(3255,1875) ; v1(2915.92,2847.08) v1(3050.08,2847.08) ; 3023,2465.5 3023,2578 3050.08,2605.08 TF_CARD.4@3050.08,2660 v1(3050.08,2847.08) ; v1(3030,2258) 3030,2296.5 ; v1(3131,1436) 3145,1436 v1(3194,1485) ; R18.2@3190,2459.5 3190,2387 3180,2377 C13.2@3180,2296.5 C14.2@3120,2296.5 C15.2@3060,2296.5 3030,2296.5 ; v1(3348.72,2865) 3348.72,2892.28 3206,3035 3012,3035 ; v1(3450.5,1599.5) C27.2@3488.5,1599.5 ; C20.2@3488.5,2015 C21.2@3488.5,1955.64 C22.2@3488.5,1896.29 C23.2@3488.5,1836.93 C24.2@3488.5,1777.57 C25.2@3488.5,1718.21 C26.2@3488.5,1658.86 C27.2@3488.5,1599.5 ; C20.2@3495,2015 v1(3525,1985) ; v1(3545,2761.57) 3640,2666.57 3640,2604 3616,2580 v1(3558,2580) ; v1(3816.5,1708.5) 3666,1558 3530,1558 C27.2@3488.5,1599.5 ; v1(3960,2967) v1(3804,3123) 3076,3123 3012,3059 3012,3035 ; 3012,3035 3012,2885.16 v1(3050.08,2847.08)
  Bottom Layer w8: v2(1807.21,1885) 1834.21,1858 1851,1858 1878,1831 1878,1668 1911,1635 1911,1622.5 v2(1950,1583.5) ; v2(1807.21,1970) 1957,1970 2043,2056 2043,2286 1974,2355 v2(1945,2355)
  Bottom Layer w15: v2(2125,1583) 2293,1583 v2(2370,1660)
VCC5: C31.1 C32.1 C33.2 C50.2 J1.1 J1.2 LCD1.28 POWER.1 R29.2 U12.3 U14.16 | length 6142.9
  Top Layer w8: J1.1@1236,2200 v2(1310,2200) 1290.31,2219.69 J1.2@1236,2219.69 ; R29.2@1508,1964.5 v2(1508,2002) ; U12.3@1960,1179.97 v2(1960,1486) ; C32.1@3713.5,1693 3781,1693 3815,1659 4135.5,1659 C50.2@4240,1763.5 v2(4286.5,1717)
  Top Layer w20: C33.2@1936.5,1060 1969,1060 ; U12.3@1960.03,1179.94 1960.03,1068.97 1969,1060 ; v6(1986,1043) 1969,1060 ; C32.1@3713.5,1693 C31.1@3713.5,1633 3713.5,1588.5 3747,1555 U14.16@3813.19,1555 ; POWER.1@4620,1120 4711,1211 4711,1524 LCD1.28@4650,1585
  Bottom Layer w8: v2(1310,2200) v2(1508,2002) 1508,1938 v2(1960,1486) ; v2(4286.5,1717) 4409,1717 4491,1635 4600,1635 LCD1.28@4650,1585
  Bottom Layer w20: v6(1986,1043) 4543,1043 POWER.1@4620,1120
VUSB: POWER.2 USB_232.1 USB_SLAVE.1 | length 3128.3
  Top Layer w20: USB_232.1@4057.01,1317.36 4057.01,1238.99 4142,1154 4235,1154 4276,1195 4466.26,1195 POWER.2@4541.26,1120 ; USB_SLAVE.1@4282.99,2857.64 v5(4282.99,2931.99)
  Bottom Layer w20: v5(4282.99,2931.99) 4296,2945 4405,2945 4456,2996 4632,2996 4707,2921 4707,1234 4667,1194 4570,1194 4541.26,1165.26 POWER.2@4541.26,1120
pads on no net: AUX.0 J1.A J1.B LCD1.32 MIC1.0 PHONE.0 POWER.3 POWER.4 POWER.5 R30.1 TF_CARD.0 TF_CARD.9 U2.15 U2.21 U2.22 U4.9 U10.1 U10.2 U10.3 U10.4 U10.5 U10.6 U10.10 U10.11 U10.14 U10.15 U10.20 U10.21 U10.22 U10.23 U10.24 U10.25 U10.26 U10.27 U10.28 U10.33 U10.34 U10.35 U10.38 U10.39 U10.40 U10.45 U10.46 U10.47 U10.48 U11.40 U14.9 U14.10 U14.11 U14.12 U14.13 U14.14 U14.15 USB_232.4 USB_232.MH1 USB_232.MH2 USB_SLAVE.4 USB_SLAVE.MH1 USB_SLAVE.MH2
copper on no net:
  other v3: 1710.76,2067.76 1758,2067.76 1805.24,2067.76 1710.76,2115 1758,2115 1805.24,2115 1710.76,2162.24 1758,2162.24 1805.24,2162.24

## Keep-outs
Keep-Out Layer:
  lines w10: 995,1005 4760,1005 ; 995,1005 995,3160 ; 995,1005 995,3160 ; 995,1005 4760,1005 ; 995,3160 4760,3160 ; 995,3160 4760,3160 ; 4760,1005 4760,3160 ; 4760,1005 4760,3160

## Other copper
Top Layer:
  rectangle net NetC8_2: 1640,2680 1915,2780
  rectangle net GND: 1640,2040 1705,2051
  rectangle net GND: 1763,2179 1773,2233
  pour cut-out: 1684,1997 1684,2041 1638,2041 1638,2000
  pour cut-out: 1876,2041 1832,2041 1832,1995 1873,1995
  pour cut-out: 1832,2233 1832,2189 1878,2189 1878,2230
  pour cut-out: 1640,2189 1684,2189 1684,2235 1643,2235
Bottom Layer:
  rectangle net PA1: 4144,1985 4490,2355
  rectangle net GND: 4257,1059 4334,1342
  rectangle net GND: 1678,2035 1885,2230

## Silkscreen, mask and mechanical layers (free items; w line width, h text height)
Top Overlay:
  text "GND CLK RES DIO" at 2025,3005 h30
Top Solder:
  text "未名科技 V3.0" at 1643,2738 h48
  text "2019.06.14" at 1699,2686 h48

## Dimensions
995,1005 to 995,3160 on Top Overlay
995,3160 to 4760,3160 on Top Overlay

## Text inside footprints (layer, text, board x,y; h text height)
J1: Top Overlay "1" at 1295,2196 h24 r90; Top Overlay "40" at 1301,2942 h24 r90
LCD1: Top Overlay "BL" at 4460,1800 h24 r270; Top Overlay "MISO" at 4460,1535 h24 r270; Top Overlay "TCS" at 4460,1320 h24 r270; Top Overlay "MO" at 4711.42,1402.72 h24 r270; Top Overlay "MOSI" at 4711.42,1530.67 h24 r270; Top Overlay "CLK" at 4711.42,1323.98 h24 r270; Top Overlay "PEN" at 4460,1420 h24 r270; Top Overlay "D11" at 4460,2115 h24 r270; Top Overlay "GND" at 4460,1625 h24 r270; Top Overlay "GND" at 4711.42,1919.45 h24 r270; Top Overlay "RD" at 4711.42,2805.28 h24 r270; Top Overlay "D0" at 4711.42,2701.93 h24 r270; Top Overlay "D10" at 4711.42,2219.65 h24 r270; Top Overlay "VDD" at 4711.42,1821.02 h24 r270; Top Overlay "GND" at 4711.42,1722.6 h24 r270; Top Overlay "VDD" at 4711.42,1619.25 h24 r270; Top Overlay "VDD" at 4460,1720 h24 r270; Top Overlay "D15" at 4460,1915 h24 r270; Top Overlay "D12" at 4711.42,2116.3 h24 r270; Top Overlay "D13" at 4455.51,2017.87 h24 r270; Top Overlay "D9" at 4460,2210 h24 r270; Top Overlay "D8" at 4711.42,2318.07 h24 r270; Top Overlay "D6" at 4711.42,2401.73 h24 r270; Top Overlay "D5" at 4460,2405 h24 r270; Top Overlay "D4" at 4711.42,2505.08 h24 r270; Top Overlay "D3" at 4460,2505 h24 r270; Top Overlay "D2" at 4711.42,2603.5 h24 r270; Top Overlay "D1" at 4460,2600 h24 r270; Top Overlay "RST" at 4460,2720 h24 r270; Top Overlay "WR" at 4460,2805 h24 r270; Top Overlay "CS" at 4460,2905 h24 r270; Top Overlay "RS" at 4711.42,2903.7 h24 r270; Top Overlay "D7" at 4460,2310 h24 r270; Top Overlay "D14" at 4711.42,2017.87 h24 r270; Bottom Overlay "CLK" at 4485,1325 h24 r90; Bottom Overlay "TCS" at 4410,1325 h24 r90; Bottom Overlay "NC" at 4485,1410 h24 r90; Bottom Overlay "PEN" at 4410,1435 h24 r90; Bottom Overlay "MO" at 4485,1510 h24 r90; Bottom Overlay "MI" at 4410,1505 h24 r90; Bottom Overlay "V5" at 4485,1600 h24 r90; Bottom Overlay "GND" at 4410,1630 h24 r90; Bottom Overlay "GND" at 4485,1710 h24 r90; Bottom Overlay "VDD" at 4410,1735 h24 r90; Bottom Overlay "VDD" at 4485,1815 h24 r90; Bottom Overlay "BL" at 4410,1810 h24 r90; Bottom Overlay "GND" at 4485,1920 h24 r90; Bottom Overlay "D15" at 4410,1920 h24 r90; Bottom Overlay "D14" at 4485,2020 h24 r90; Bottom Overlay "D13" at 4410,2025 h24 r90; Bottom Overlay "D12" at 4485,2125 h24 r90; Bottom Overlay "D11" at 4410,2125 h24 r90; Bottom Overlay "D10" at 4485,2225 h24 r90; Bottom Overlay "D9" at 4410,2215 h24 r90; Bottom Overlay "D8" at 4485,2310 h24 r90; Bottom Overlay "D7" at 4410,2310 h24 r90; Bottom Overlay "D6" at 4485,2405 h24 r90; Bottom Overlay "D5" at 4410,2405 h24 r90; Bottom Overlay "D4" at 4485,2510 h24 r90; Bottom Overlay "D3" at 4410,2510 h24 r90; Bottom Overlay "D2" at 4485,2610 h24 r90; Bottom Overlay "D1" at 4410,2605 h24 r90; Bottom Overlay "RST" at 4410,2725 h24 r90; Bottom Overlay "D0" at 4485,2710 h24 r90; Bottom Overlay "WR" at 4410,2810 h24 r90; Bottom Overlay "RD" at 4485,2810 h24 r90; Bottom Overlay "RS" at 4485,2915 h24 r90; Bottom Overlay "CS" at 4410,2920 h24 r90
P4: Top Overlay "3" at 3792,2748 h24; Top Overlay "4" at 3818,2771 h24; Top Overlay "2" at 3552,2896 h24; Top Overlay "1" at 3561,2760 h24
TF_CARD: Bottom Overlay "1" at 3176,2736 h24 r180; Bottom Overlay "2" at 3133,2735 h24 r180; Bottom Overlay "3" at 3091,2735 h24 r180; Bottom Overlay "4" at 3044,2735 h24 r180; Bottom Overlay "5" at 3002,2734 h24 r180; Bottom Overlay "6" at 2960,2734 h24 r180; Bottom Overlay "7" at 2918,2734 h24 r180; Bottom Overlay "8" at 2874,2733 h24 r180; Bottom Overlay "Cd" at 2821,2711 h24 r270
U12: Top Overlay "3" at 1934.03,1352.94 h24; Top Overlay "1" at 1754.03,1352.94 h24